# EAGLE board Mk4 Final Panel 6up 3x2 (EAGLE 9.0.1), part 15 of 18
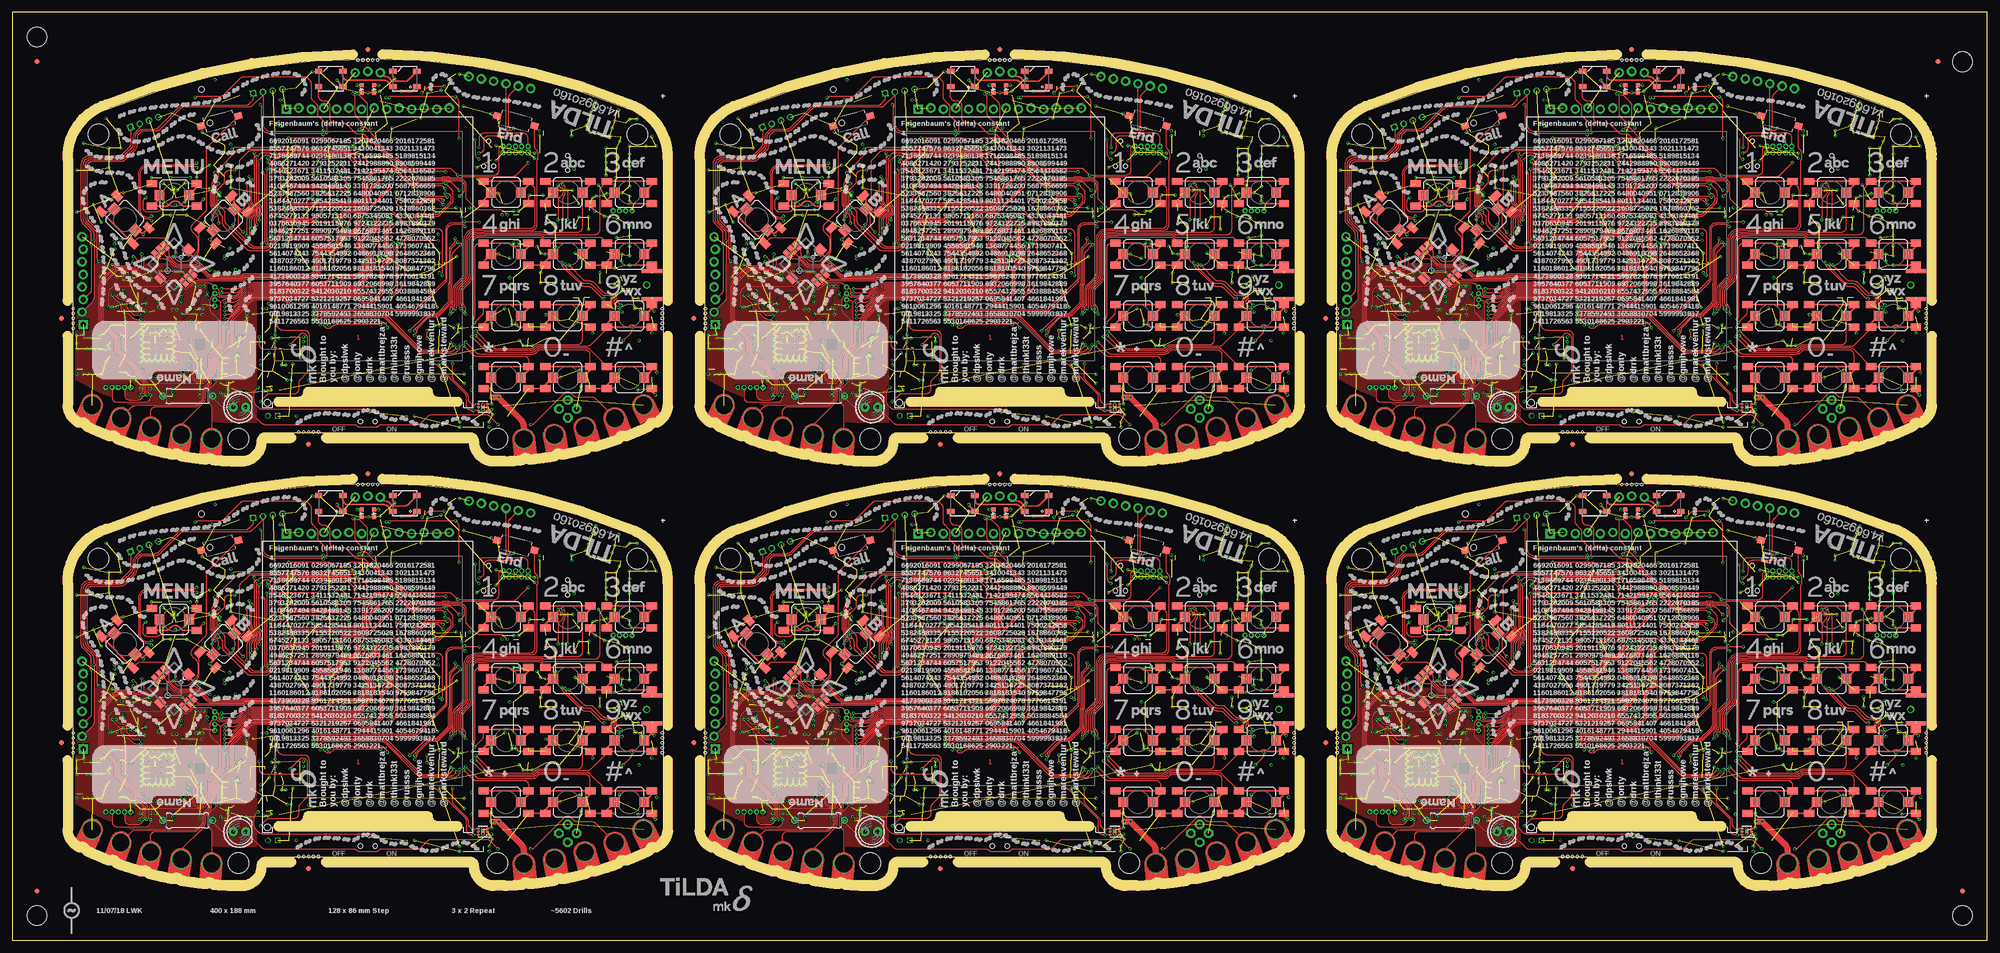
[diagram p0: board, top side]
## Tracks (layer width: path | path; a pad name or v marks a point on that pad's centre or on a via) (continued)
SSI0_LCD_MISO2  (via drill 0.3) (continued)
  Bottom 0.15: IC38.38 63.55,146.8 arc90 62.3,145.55 62.3,141.55 arc90 64.05,139.8 64.79,139.8 arc-45 65.49,139.51 65.51,139.49 arc-45 65.8,138.79 v65.8,137.8 | J21.33 68.25,138.52 arc-45 v68.45,139
SSI0_LCD_MISO3  (via drill 0.3)
  Top 0.15: v193.8,137.8 193.89,137.8 arc45 194.59,138.09 195.21,138.71 arc-45 195.91,139 v196.45,139
  Bottom 0.15: IC56.38 191.55,146.8 arc90 190.3,145.55 190.3,141.55 arc90 192.05,139.8 192.79,139.8 arc-45 193.49,139.51 193.51,139.49 arc-45 193.8,138.79 v193.8,137.8 | J31.33 196.25,138.52 arc-45 v196.45,139
SSI0_LCD_MISO4  (via drill 0.3)
  Top 0.15: v321.8,51.8 321.89,51.8 arc45 322.59,52.09 323.21,52.71 arc-45 323.91,53 v324.45,53
  Bottom 0.15: IC74.38 319.55,60.8 arc90 318.3,59.55 318.3,55.55 arc90 320.05,53.8 320.79,53.8 arc-45 321.49,53.51 321.51,53.49 arc-45 321.8,52.79 v321.8,51.8 | J41.33 324.25,52.52 arc-45 v324.45,53
SSI0_LCD_MISO6  (via drill 0.3)
  Top 0.15: v321.8,137.8 321.89,137.8 arc45 322.59,138.09 323.21,138.71 arc-45 323.91,139 v324.45,139
  Bottom 0.15: IC110.38 319.55,146.8 arc90 318.3,145.55 318.3,141.55 arc90 320.05,139.8 320.79,139.8 arc-45 321.49,139.51 321.51,139.49 arc-45 321.8,138.79 v321.8,137.8 | J61.33 324.25,138.52 arc-45 v324.45,139
SSI0_LCD_MOSI  (via drill 0.3)
  Top 0.15: v66.35,52.7 arc45 66.95,52.95 67.45,53.45 arc-45 v68.05,53.7
  Bottom 0.15: J2.34 67.75,50.5 67.8,50.55 67.8,53.1 arc-45 v68.05,53.7 | IC1.37 63.6,60.4 arc90 62.6,59.4 62.6,55.6 arc90 64.1,54.1 64.83,54.1 arc-45 65.72,53.73 66.2,53.25 arc-45 66.35,52.89 v66.35,52.7
SSI0_LCD_MOSI1  (via drill 0.3)
  Top 0.15: v194.35,52.7 arc45 194.95,52.95 195.45,53.45 arc-45 v196.05,53.7
  Bottom 0.15: J6.34 195.75,50.5 195.8,50.55 195.8,53.1 arc-45 v196.05,53.7 | IC20.37 191.6,60.4 arc90 190.6,59.4 190.6,55.6 arc90 192.1,54.1 192.83,54.1 arc-45 193.72,53.73 194.2,53.25 arc-45 194.35,52.89 v194.35,52.7
SSI0_LCD_MOSI2  (via drill 0.3)
  Top 0.15: v66.35,138.7 arc45 66.95,138.95 67.45,139.45 arc-45 v68.05,139.7
  Bottom 0.15: J21.34 67.75,136.5 67.8,136.55 67.8,139.1 arc-45 v68.05,139.7 | IC38.37 63.6,146.4 arc90 62.6,145.4 62.6,141.6 arc90 64.1,140.1 64.83,140.1 arc-45 65.72,139.73 66.2,139.25 arc-45 66.35,138.89 v66.35,138.7
SSI0_LCD_MOSI3  (via drill 0.3)
  Top 0.15: v194.35,138.7 arc45 194.95,138.95 195.45,139.45 arc-45 v196.05,139.7
  Bottom 0.15: J31.34 195.75,136.5 195.8,136.55 195.8,139.1 arc-45 v196.05,139.7 | IC56.37 191.6,146.4 arc90 190.6,145.4 190.6,141.6 arc90 192.1,140.1 192.83,140.1 arc-45 193.72,139.73 194.2,139.25 arc-45 194.35,138.89 v194.35,138.7
SSI0_LCD_MOSI4  (via drill 0.3)
  Top 0.15: v322.35,52.7 arc45 322.95,52.95 323.45,53.45 arc-45 v324.05,53.7
  Bottom 0.15: J41.34 323.75,50.5 323.8,50.55 323.8,53.1 arc-45 v324.05,53.7 | IC74.37 319.6,60.4 arc90 318.6,59.4 318.6,55.6 arc90 320.1,54.1 320.83,54.1 arc-45 321.72,53.73 322.2,53.25 arc-45 322.35,52.89 v322.35,52.7
SSI0_LCD_MOSI6  (via drill 0.3)
  Top 0.15: v322.35,138.7 arc45 322.95,138.95 323.45,139.45 arc-45 v324.05,139.7
  Bottom 0.15: J61.34 323.75,136.5 323.8,136.55 323.8,139.1 arc-45 v324.05,139.7 | IC110.37 319.6,146.4 arc90 318.6,145.4 318.6,141.6 arc90 320.1,140.1 320.83,140.1 arc-45 321.72,139.73 322.2,139.25 arc-45 322.35,138.89 v322.35,138.7
SSI2_CC_!CS  (via drill 0.3)
  Top 0.15: v43,40 43.7,40 47.86,44.16 arc-45 48.92,44.6 70.69,44.6 arc-45 71.39,44.31 v71.5,44.2 | v78,55.2 78,55.06 arc-45 77.89,54.8 arc45 77.6,54.1 77.6,47.01 arc-45 77.31,46.31 v76.6,45.6
  Bottom 0.15: IC15.8 29.75,27.95 arc90 30.75,26.95 38.5,26.95 arc90 40,28.45 40,30.39 arc-45 40.29,31.09 41.71,32.51 arc45 42.3,33.93 42.3,38.94 arc-45 42.59,39.64 42.95,40 v43,40 | IC1.3 77.4,56.21 arc45 77.69,55.51 v78,55.2 | v76.6,45.6 73.75,45.6 arc-45 73.25,45.81 arc45 72.54,46.1 72.5,46.1 arc90 71.5,45.1 v71.5,44.2
SSI2_CC_!CS1  (via drill 0.3)
  Top 0.15: v171,40 171.7,40 175.86,44.16 arc-45 176.92,44.6 198.69,44.6 arc-45 199.39,44.31 v199.5,44.2 | v206,55.2 206,55.06 arc-45 205.89,54.8 arc45 205.6,54.1 205.6,47.01 arc-45 205.31,46.31 v204.6,45.6
  Bottom 0.15: IC29.8 157.75,27.95 arc90 158.75,26.95 166.5,26.95 arc90 168,28.45 168,30.39 arc-45 168.29,31.09 169.71,32.51 arc45 170.3,33.93 170.3,38.94 arc-45 170.59,39.64 170.95,40 v171,40 | IC20.3 205.4,56.21 arc45 205.69,55.51 v206,55.2 | v204.6,45.6 201.75,45.6 arc-45 201.25,45.81 arc45 200.54,46.1 200.5,46.1 arc90 199.5,45.1 v199.5,44.2
SSI2_CC_!CS2  (via drill 0.3)
  Top 0.15: v43,126 43.7,126 47.86,130.16 arc-45 48.92,130.6 70.69,130.6 arc-45 71.39,130.31 v71.5,130.2 | v78,141.2 78,141.06 arc-45 77.89,140.8 arc45 77.6,140.1 77.6,133.01 arc-45 77.31,132.31 v76.6,131.6
  Bottom 0.15: IC47.8 29.75,113.95 arc90 30.75,112.95 38.5,112.95 arc90 40,114.45 40,116.39 arc-45 40.29,117.09 41.71,118.51 arc45 42.3,119.93 42.3,124.94 arc-45 42.59,125.64 42.95,126 v43,126 | IC38.3 77.4,142.21 arc45 77.69,141.51 v78,141.2 | v76.6,131.6 73.75,131.6 arc-45 73.25,131.81 arc45 72.54,132.1 72.5,132.1 arc90 71.5,131.1 v71.5,130.2
SSI2_CC_!CS3  (via drill 0.3)
  Top 0.15: v171,126 171.7,126 175.86,130.16 arc-45 176.92,130.6 198.69,130.6 arc-45 199.39,130.31 v199.5,130.2 | v206,141.2 206,141.06 arc-45 205.89,140.8 arc45 205.6,140.1 205.6,133.01 arc-45 205.31,132.31 v204.6,131.6
  Bottom 0.15: IC65.8 157.75,113.95 arc90 158.75,112.95 166.5,112.95 arc90 168,114.45 168,116.39 arc-45 168.29,117.09 169.71,118.51 arc45 170.3,119.93 170.3,124.94 arc-45 170.59,125.64 170.95,126 v171,126 | IC56.3 205.4,142.21 arc45 205.69,141.51 v206,141.2 | v204.6,131.6 201.75,131.6 arc-45 201.25,131.81 arc45 200.54,132.1 200.5,132.1 arc90 199.5,131.1 v199.5,130.2
SSI2_CC_!CS4  (via drill 0.3)
  Top 0.15: v299,40 299.7,40 303.86,44.16 arc-45 304.92,44.6 326.69,44.6 arc-45 327.39,44.31 v327.5,44.2 | v334,55.2 334,55.06 arc-45 333.89,54.8 arc45 333.6,54.1 333.6,47.01 arc-45 333.31,46.31 v332.6,45.6
  Bottom 0.15: IC83.8 285.75,27.95 arc90 286.75,26.95 294.5,26.95 arc90 296,28.45 296,30.39 arc-45 296.29,31.09 297.71,32.51 arc45 298.3,33.93 298.3,38.94 arc-45 298.59,39.64 298.95,40 v299,40 | IC74.3 333.4,56.21 arc45 333.69,55.51 v334,55.2 | v332.6,45.6 329.75,45.6 arc-45 329.25,45.81 arc45 328.54,46.1 328.5,46.1 arc90 327.5,45.1 v327.5,44.2
SSI2_CC_!CS6  (via drill 0.3)
  Top 0.15: v299,126 299.7,126 303.86,130.16 arc-45 304.92,130.6 326.69,130.6 arc-45 327.39,130.31 v327.5,130.2 | v334,141.2 334,141.06 arc-45 333.89,140.8 arc45 333.6,140.1 333.6,133.01 arc-45 333.31,132.31 v332.6,131.6
  Bottom 0.15: IC119.8 285.75,113.95 arc90 286.75,112.95 294.5,112.95 arc90 296,114.45 296,116.39 arc-45 296.29,117.09 297.71,118.51 arc45 298.3,119.93 298.3,124.94 arc-45 298.59,125.64 298.95,126 v299,126 | IC110.3 333.4,142.21 arc45 333.69,141.51 v334,141.2 | v332.6,131.6 329.75,131.6 arc-45 329.25,131.81 arc45 328.54,132.1 328.5,132.1 arc90 327.5,131.1 v327.5,130.2
SSI2_CC_CLK  (via drill 0.3)
  Top 0.15: v43,42.4 44.83,42.4 47.27,44.84 arc-45 48.86,45.5 69.07,45.5 arc45 70.49,46.09 70.51,46.11 arc-45 71.22,46.4 v73.4,46.4 | v77.2,55.2 77.2,53.49 77.22,53.47 77.22,47.44 arc-45 76.93,46.73 v76.6,46.4
  Bottom 0.15: IC15.5 31.25,29.91 arc45 31.54,29.21 32.51,28.24 arc45 33.21,27.95 36.88,27.95 36.9,27.93 38.35,27.93 arc90 39.1,28.68 39.1,30.48 arc-45 39.61,31.71 41.03,33.13 arc45 41.4,34.02 41.4,40.39 arc-45 41.69,41.09 v43,42.4 | IC1.4 77,55.68 arc45 v77.2,55.2 | v73.4,46.4 v76.6,46.4
SSI2_CC_CLK1  (via drill 0.3)
  Top 0.15: v171,42.4 172.83,42.4 175.27,44.84 arc-45 176.86,45.5 197.07,45.5 arc45 198.49,46.09 198.51,46.11 arc-45 199.22,46.4 v201.4,46.4 | v205.2,55.2 205.2,53.49 205.22,53.47 205.22,47.44 arc-45 204.93,46.73 v204.6,46.4
  Bottom 0.15: IC29.5 159.25,29.91 arc45 159.54,29.21 160.51,28.24 arc45 161.21,27.95 164.88,27.95 164.9,27.93 166.35,27.93 arc90 167.1,28.68 167.1,30.48 arc-45 167.61,31.71 169.03,33.13 arc45 169.4,34.02 169.4,40.39 arc-45 169.69,41.09 v171,42.4 | IC20.4 205,55.68 arc45 v205.2,55.2 | v201.4,46.4 v204.6,46.4
SSI2_CC_CLK2  (via drill 0.3)
  Top 0.15: v43,128.4 44.83,128.4 47.27,130.84 arc-45 48.86,131.5 69.07,131.5 arc45 70.49,132.09 70.51,132.11 arc-45 71.22,132.4 v73.4,132.4 | v77.2,141.2 77.2,139.49 77.22,139.47 77.22,133.44 arc-45 76.93,132.73 v76.6,132.4
  Bottom 0.15: IC47.5 31.25,115.91 arc45 31.54,115.21 32.51,114.24 arc45 33.21,113.95 36.88,113.95 36.9,113.92 38.35,113.92 arc90 39.1,114.67 39.1,116.47 arc-45 39.61,117.71 41.03,119.13 arc45 41.4,120.02 41.4,126.39 arc-45 41.69,127.09 v43,128.4 | IC38.4 77,141.68 arc45 v77.2,141.2 | v73.4,132.4 v76.6,132.4
SSI2_CC_CLK3  (via drill 0.3)
  Top 0.15: v171,128.4 172.83,128.4 175.27,130.84 arc-45 176.86,131.5 197.07,131.5 arc45 198.49,132.09 198.51,132.11 arc-45 199.22,132.4 v201.4,132.4 | v205.2,141.2 205.2,139.49 205.22,139.47 205.22,133.44 arc-45 204.93,132.73 v204.6,132.4
  Bottom 0.15: IC65.5 159.25,115.91 arc45 159.54,115.21 160.51,114.24 arc45 161.21,113.95 164.88,113.95 164.9,113.92 166.35,113.92 arc90 167.1,114.67 167.1,116.47 arc-45 167.61,117.71 169.03,119.13 arc45 169.4,120.02 169.4,126.39 arc-45 169.69,127.09 v171,128.4 | IC56.4 205,141.68 arc45 v205.2,141.2 | v201.4,132.4 v204.6,132.4
SSI2_CC_CLK4  (via drill 0.3)
  Top 0.15: v299,42.4 300.83,42.4 303.27,44.84 arc-45 304.86,45.5 325.07,45.5 arc45 326.49,46.09 326.51,46.11 arc-45 327.22,46.4 v329.4,46.4 | v333.2,55.2 333.2,53.49 333.23,53.47 333.23,47.44 arc-45 332.93,46.73 v332.6,46.4
  Bottom 0.15: IC83.5 287.25,29.91 arc45 287.54,29.21 288.51,28.24 arc45 289.21,27.95 292.88,27.95 292.9,27.93 294.35,27.93 arc90 295.1,28.68 295.1,30.48 arc-45 295.61,31.71 297.03,33.13 arc45 297.4,34.02 297.4,40.39 arc-45 297.69,41.09 v299,42.4 | IC74.4 333,55.68 arc45 v333.2,55.2 | v329.4,46.4 v332.6,46.4
SSI2_CC_CLK6  (via drill 0.3)
  Top 0.15: v299,128.4 300.83,128.4 303.27,130.84 arc-45 304.86,131.5 325.07,131.5 arc45 326.49,132.09 326.51,132.11 arc-45 327.22,132.4 v329.4,132.4 | v333.2,141.2 333.2,139.49 333.23,139.47 333.23,133.44 arc-45 332.93,132.73 v332.6,132.4
  Bottom 0.15: IC119.5 287.25,115.91 arc45 287.54,115.21 288.51,114.24 arc45 289.21,113.95 292.88,113.95 292.9,113.92 294.35,113.92 arc90 295.1,114.67 295.1,116.47 arc-45 295.61,117.71 297.03,119.13 arc45 297.4,120.02 297.4,126.39 arc-45 297.69,127.09 v299,128.4 | IC110.4 333,141.68 arc45 v333.2,141.2 | v329.4,132.4 v332.6,132.4
SSI2_CC_MISO  (via drill 0.3)
  Top 0.15: v43,40.8 44.08,40.8 47.67,44.39 arc-45 48.9,44.9 72.24,44.9 arc-45 v72.6,44.75 | v78.75,55.24 78.53,55.01 arc-45 78.5,54.96 78.19,54.65 arc45 77.9,53.94 77.9,46.21 arc-45 77.61,45.51 76.9,44.8 v76.6,44.8
  Bottom 0.15: IC15.7 30.25,29 R71.1 30.59,28.75 arc-45 31.29,28.46 32.06,27.69 arc45 33.12,27.25 38.45,27.25 arc90 39.7,28.5 39.7,30.43 arc-45 40.07,31.32 41.49,32.74 arc45 42,33.98 42,39.39 arc-45 42.29,40.09 v43,40.8 | IC1.1 78.2,56.6 78.31,56.49 arc-45 78.6,55.79 78.6,55.6 arc45 v78.75,55.24 | v76.6,44.8 76.55,44.75 v72.6,44.75
SSI2_CC_MISO1  (via drill 0.3)
  Top 0.15: v171,40.8 172.08,40.8 175.67,44.39 arc-45 176.9,44.9 200.24,44.9 arc-45 v200.6,44.75 | v206.75,55.24 206.53,55.01 arc-45 206.5,54.96 206.19,54.65 arc45 205.9,53.94 205.9,46.21 arc-45 205.61,45.51 204.9,44.8 v204.6,44.8
  Bottom 0.15: IC29.7 158.25,29 R149.1 158.59,28.75 arc-45 159.29,28.46 160.06,27.69 arc45 161.12,27.25 166.45,27.25 arc90 167.7,28.5 167.7,30.43 arc-45 168.07,31.32 169.49,32.74 arc45 170,33.98 170,39.39 arc-45 170.29,40.09 v171,40.8 | IC20.1 206.2,56.6 206.31,56.49 arc-45 206.6,55.79 206.6,55.6 arc45 v206.75,55.24 | v204.6,44.8 204.55,44.75 v200.6,44.75
SSI2_CC_MISO2  (via drill 0.3)
  Top 0.15: v43,126.8 44.08,126.8 47.67,130.39 arc-45 48.9,130.9 72.24,130.9 arc-45 v72.6,130.75 | v78.75,141.24 78.53,141.01 arc-45 78.5,140.96 78.19,140.65 arc45 77.9,139.94 77.9,132.21 arc-45 77.61,131.51 76.9,130.8 v76.6,130.8
  Bottom 0.15: IC47.7 30.25,115 R227.1 30.59,114.75 arc-45 31.29,114.46 32.06,113.69 arc45 33.12,113.25 38.45,113.25 arc90 39.7,114.5 39.7,116.43 arc-45 40.07,117.32 41.49,118.74 arc45 42,119.97 42,125.39 arc-45 42.29,126.09 v43,126.8 | IC38.1 78.2,142.6 78.31,142.49 arc-45 78.6,141.79 78.6,141.6 arc45 v78.75,141.24 | v76.6,130.8 76.55,130.75 v72.6,130.75
SSI2_CC_MISO3  (via drill 0.3)
  Top 0.15: v171,126.8 172.08,126.8 175.67,130.39 arc-45 176.9,130.9 200.24,130.9 arc-45 v200.6,130.75 | v206.75,141.24 206.53,141.01 arc-45 206.5,140.96 206.19,140.65 arc45 205.9,139.94 205.9,132.21 arc-45 205.61,131.51 204.9,130.8 v204.6,130.8
  Bottom 0.15: IC65.7 158.25,115 R305.1 158.59,114.75 arc-45 159.29,114.46 160.06,113.69 arc45 161.12,113.25 166.45,113.25 arc90 167.7,114.5 167.7,116.43 arc-45 168.07,117.32 169.49,118.74 arc45 170,119.97 170,125.39 arc-45 170.29,126.09 v171,126.8 | IC56.1 206.2,142.6 206.31,142.49 arc-45 206.6,141.79 206.6,141.6 arc45 v206.75,141.24 | v204.6,130.8 204.55,130.75 v200.6,130.75
SSI2_CC_MISO4  (via drill 0.3)
  Top 0.15: v299,40.8 300.08,40.8 303.67,44.39 arc-45 304.9,44.9 328.24,44.9 arc-45 v328.6,44.75 | v334.75,55.24 334.52,55.01 arc-45 334.5,54.96 334.19,54.65 arc45 333.9,53.94 333.9,46.21 arc-45 333.61,45.51 332.9,44.8 v332.6,44.8
  Bottom 0.15: IC83.7 286.25,29 R383.1 286.59,28.75 arc-45 287.29,28.46 288.06,27.69 arc45 289.12,27.25 294.45,27.25 arc90 295.7,28.5 295.7,30.43 arc-45 296.07,31.32 297.49,32.74 arc45 298,33.98 298,39.39 arc-45 298.29,40.09 v299,40.8 | IC74.1 334.2,56.6 334.31,56.49 arc-45 334.6,55.79 334.6,55.6 arc45 v334.75,55.24 | v332.6,44.8 332.55,44.75 v328.6,44.75
SSI2_CC_MISO6  (via drill 0.3)
  Top 0.15: v299,126.8 300.08,126.8 303.67,130.39 arc-45 304.9,130.9 328.24,130.9 arc-45 v328.6,130.75 | v334.75,141.24 334.52,141.01 arc-45 334.5,140.96 334.19,140.65 arc45 333.9,139.94 333.9,132.21 arc-45 333.61,131.51 332.9,130.8 v332.6,130.8
  Bottom 0.15: IC119.7 286.25,115 R539.1 286.59,114.75 arc-45 287.29,114.46 288.06,113.69 arc45 289.12,113.25 294.45,113.25 arc90 295.7,114.5 295.7,116.43 arc-45 296.07,117.32 297.49,118.74 arc45 298,119.97 298,125.39 arc-45 298.29,126.09 v299,126.8 | IC110.1 334.2,142.6 334.31,142.49 arc-45 334.6,141.79 334.6,141.6 arc45 v334.75,141.24 | v332.6,130.8 332.55,130.75 v328.6,130.75
SSI2_CC_MOSI  (via drill 0.3)
  Top 0.15: v43,41.6 44.45,41.6 47.47,44.61 arc-45 48.88,45.2 71.89,45.2 arc45 v72.59,45.49 v72.6,45.5 | v78,56 78.5,56 arc-90 79.5,55 79.5,47.31 arc-45 79.21,46.61 v76.6,44
  Bottom 0.15: IC15.6 30.75,29.91 arc45 31.04,29.21 32.23,28.02 arc45 33.12,27.65 36.75,27.65 36.78,27.62 38.4,27.62 arc90 39.4,28.62 39.4,30.45 arc-45 39.84,31.51 41.26,32.94 arc45 41.7,34 41.7,39.89 arc-45 41.99,40.59 v43,41.6 | IC1.2 77.8,56.48 arc45 v78,56 | v72.6,45.5 arc90 72,44.9 arc90 72.9,44 v76.6,44
SSI2_CC_MOSI1  (via drill 0.3)
  Top 0.15: v171,41.6 172.45,41.6 175.47,44.61 arc-45 176.88,45.2 199.89,45.2 arc45 v200.59,45.49 v200.6,45.5 | v206,56 206.5,56 arc-90 207.5,55 207.5,47.31 arc-45 207.21,46.61 v204.6,44
  Bottom 0.15: IC29.6 158.75,29.91 arc45 159.04,29.21 160.23,28.02 arc45 161.12,27.65 164.75,27.65 164.78,27.62 166.4,27.62 arc90 167.4,28.62 167.4,30.45 arc-45 167.84,31.51 169.26,32.94 arc45 169.7,34 169.7,39.89 arc-45 169.99,40.59 v171,41.6 | IC20.2 205.8,56.48 arc45 v206,56 | v200.6,45.5 arc90 200,44.9 arc90 200.9,44 v204.6,44
SSI2_CC_MOSI2  (via drill 0.3)
  Top 0.15: v43,127.6 44.45,127.6 47.47,130.61 arc-45 48.88,131.2 71.89,131.2 arc45 v72.59,131.49 v72.6,131.5 | v78,142 78.5,142 arc-90 79.5,141 79.5,133.31 arc-45 79.21,132.61 v76.6,130
  Bottom 0.15: IC47.6 30.75,115.91 arc45 31.04,115.21 32.23,114.02 arc45 33.12,113.65 36.75,113.65 36.78,113.62 38.4,113.62 arc90 39.4,114.62 39.4,116.45 arc-45 39.84,117.51 41.26,118.94 arc45 41.7,120 41.7,125.89 arc-45 41.99,126.59 v43,127.6 | IC38.2 77.8,142.48 arc45 v78,142 | v72.6,131.5 arc90 72,130.9 arc90 72.9,130 v76.6,130
SSI2_CC_MOSI3  (via drill 0.3)
  Top 0.15: v171,127.6 172.45,127.6 175.47,130.61 arc-45 176.88,131.2 199.89,131.2 arc45 v200.59,131.49 v200.6,131.5 | v206,142 206.5,142 arc-90 207.5,141 207.5,133.31 arc-45 207.21,132.61 v204.6,130
  Bottom 0.15: IC65.6 158.75,115.91 arc45 159.04,115.21 160.23,114.02 arc45 161.12,113.65 164.75,113.65 164.78,113.62 166.4,113.62 arc90 167.4,114.62 167.4,116.45 arc-45 167.84,117.51 169.26,118.94 arc45 169.7,120 169.7,125.89 arc-45 169.99,126.59 v171,127.6 | IC56.2 205.8,142.48 arc45 v206,142 | v200.6,131.5 arc90 200,130.9 arc90 200.9,130 v204.6,130
SSI2_CC_MOSI4  (via drill 0.3)
  Top 0.15: v299,41.6 300.45,41.6 303.47,44.61 arc-45 304.88,45.2 327.89,45.2 arc45 v328.59,45.49 v328.6,45.5 | v334,56 334.5,56 arc-90 335.5,55 335.5,47.31 arc-45 335.21,46.61 v332.6,44
  Bottom 0.15: IC83.6 286.75,29.91 arc45 287.04,29.21 288.23,28.02 arc45 289.12,27.65 292.75,27.65 292.78,27.62 294.4,27.62 arc90 295.4,28.62 295.4,30.45 arc-45 295.84,31.51 297.26,32.94 arc45 297.7,34 297.7,39.89 arc-45 297.99,40.59 v299,41.6 | IC74.2 333.8,56.48 arc45 v334,56 | v328.6,45.5 arc90 328,44.9 arc90 328.9,44 v332.6,44
SSI2_CC_MOSI6  (via drill 0.3)
  Top 0.15: v299,127.6 300.45,127.6 303.47,130.61 arc-45 304.88,131.2 327.89,131.2 arc45 v328.59,131.49 v328.6,131.5 | v334,142 334.5,142 arc-90 335.5,141 335.5,133.31 arc-45 335.21,132.61 v332.6,130
  Bottom 0.15: IC119.6 286.75,115.91 arc45 287.04,115.21 288.23,114.02 arc45 289.12,113.65 292.75,113.65 292.78,113.62 294.4,113.62 arc90 295.4,114.62 295.4,116.45 arc-45 295.84,117.51 297.26,118.94 arc45 297.7,120 297.7,125.89 arc-45 297.99,126.59 v299,127.6 | IC110.2 333.8,142.48 arc45 v334,142 | v328.6,131.5 arc90 328,130.9 arc90 328.9,130 v332.6,130
SSI3_CLK
  Bottom 0.15: IC6.6 81.33,54.5 77.35,54.5 arc-90 76.6,55.25 IC1.5
SSI3_CLK1
  Bottom 0.15: IC22.6 209.33,54.5 205.35,54.5 arc-90 204.6,55.25 IC20.5
SSI3_CLK2
  Bottom 0.15: IC40.6 81.33,140.5 77.35,140.5 arc-90 76.6,141.25 IC38.5
SSI3_CLK3
  Bottom 0.15: IC58.6 209.33,140.5 205.35,140.5 arc-90 204.6,141.25 IC56.5
SSI3_CLK4
  Bottom 0.15: IC76.6 337.33,54.5 333.35,54.5 arc-90 332.6,55.25 IC74.5
SSI3_CLK6
  Bottom 0.15: IC112.6 337.33,140.5 333.35,140.5 arc-90 332.6,141.25 IC110.5
SSI3_DAT0  (via drill 0.3)
  Top 0.15: v74.7,59.2 74.6,59.1 arc45 74.45,58.74 74.45,58.56 arc-45 74.3,58.2 arc45 74.2,57.95 74.2,54.41 arc45 74.49,53.71 74.51,53.69 arc-45 74.8,52.99 74.8,52.44 arc-45 v74.7,52.2
  Bottom 0.15: IC1.11 74.2,57.95 arc-45 74.3,58.2 arc45 74.45,58.56 74.45,58.74 arc-45 74.6,59.1 v74.7,59.2 | IC6.5 77.57,53.24 arc45 76.86,52.95 76.4,52.49 arc-45 75.7,52.2 v74.7,52.2
SSI3_DAT1  (via drill 0.3)
  Top 0.15: v86.3,55.8 80.67,55.8 arc-45 79.97,56.09 79.09,56.97 arc-45 78.8,57.67 78.8,59.09 arc45 78.51,59.79 77.39,60.91 arc45 76.69,61.2 70.01,61.2 arc45 69.31,60.91 68.09,59.69 arc45 67.8,58.99 v67.8,58.6
  Bottom 0.15: IC1.27 v67.8,58.6 | IC6.2 86.31,55.78 v86.3,55.8
SSI3_DAT2  (via drill 0.3)
  Top 0.15: v214.3,55.8 208.67,55.8 arc-45 207.97,56.09 207.09,56.97 arc-45 206.8,57.67 206.8,59.09 arc45 206.51,59.79 205.39,60.91 arc45 204.69,61.2 198.01,61.2 arc45 197.31,60.91 196.09,59.69 arc45 195.8,58.99 v195.8,58.6
  Bottom 0.15: IC20.27 v195.8,58.6 | IC22.2 214.31,55.78 v214.3,55.8
SSI3_DAT3  (via drill 0.3)
  Top 0.15: v202.7,59.2 202.6,59.1 arc45 202.45,58.74 202.45,58.56 arc-45 202.3,58.2 arc45 202.2,57.95 202.2,54.41 arc45 202.49,53.71 202.51,53.69 arc-45 202.8,52.99 202.8,52.44 arc-45 v202.7,52.2
  Bottom 0.15: IC20.11 202.2,57.95 arc-45 202.3,58.2 arc45 202.45,58.56 202.45,58.74 arc-45 202.6,59.1 v202.7,59.2 | IC22.5 205.57,53.24 arc45 204.86,52.95 204.4,52.49 arc-45 203.7,52.2 v202.7,52.2
SSI3_DAT4  (via drill 0.3)
  Top 0.15: v86.3,141.8 80.67,141.8 arc-45 79.97,142.09 79.09,142.97 arc-45 78.8,143.67 78.8,145.09 arc45 78.51,145.79 77.39,146.91 arc45 76.69,147.2 70.01,147.2 arc45 69.31,146.91 68.09,145.69 arc45 67.8,144.99 v67.8,144.6
  Bottom 0.15: IC38.27 v67.8,144.6 | IC40.2 86.31,141.78 v86.3,141.8
SSI3_DAT5  (via drill 0.3)
  Top 0.15: v74.7,145.2 74.6,145.1 arc45 74.45,144.74 74.45,144.56 arc-45 74.3,144.2 arc45 74.2,143.95 74.2,140.41 arc45 74.49,139.71 74.51,139.69 arc-45 74.8,138.99 74.8,138.44 arc-45 v74.7,138.2
  Bottom 0.15: IC38.11 74.2,143.95 arc-45 74.3,144.2 arc45 74.45,144.56 74.45,144.74 arc-45 74.6,145.1 v74.7,145.2 | IC40.5 77.57,139.25 arc45 76.86,138.95 76.4,138.49 arc-45 75.7,138.2 v74.7,138.2
SSI3_DAT6  (via drill 0.3)
  Top 0.15: v214.3,141.8 208.67,141.8 arc-45 207.97,142.09 207.09,142.97 arc-45 206.8,143.67 206.8,145.09 arc45 206.51,145.79 205.39,146.91 arc45 204.69,147.2 198.01,147.2 arc45 197.31,146.91 196.09,145.69 arc45 195.8,144.99 v195.8,144.6
  Bottom 0.15: IC56.27 v195.8,144.6 | IC58.2 214.31,141.78 v214.3,141.8
SSI3_DAT7  (via drill 0.3)
  Top 0.15: v202.7,145.2 202.6,145.1 arc45 202.45,144.74 202.45,144.56 arc-45 202.3,144.2 arc45 202.2,143.95 202.2,140.41 arc45 202.49,139.71 202.51,139.69 arc-45 202.8,138.99 202.8,138.44 arc-45 v202.7,138.2
  Bottom 0.15: IC56.11 202.2,143.95 arc-45 202.3,144.2 arc45 202.45,144.56 202.45,144.74 arc-45 202.6,145.1 v202.7,145.2 | IC58.5 205.57,139.25 arc45 204.86,138.95 204.4,138.49 arc-45 203.7,138.2 v202.7,138.2
SSI3_DAT8  (via drill 0.3)
  Top 0.15: v342.3,55.8 336.67,55.8 arc-45 335.96,56.09 335.09,56.97 arc-45 334.8,57.67 334.8,59.09 arc45 334.51,59.79 333.39,60.91 arc45 332.69,61.2 326.01,61.2 arc45 325.31,60.91 324.09,59.69 arc45 323.8,58.99 v323.8,58.6
  Bottom 0.15: IC74.27 v323.8,58.6 | IC76.2 342.31,55.78 v342.3,55.8
SSI3_DAT9  (via drill 0.3)
  Top 0.15: v330.7,59.2 330.6,59.1 arc45 330.45,58.74 330.45,58.56 arc-45 330.3,58.2 arc45 330.2,57.95 330.2,54.41 arc45 330.49,53.71 330.51,53.69 arc-45 330.8,52.99 330.8,52.44 arc-45 v330.7,52.2
  Bottom 0.15: IC74.11 330.2,57.95 arc-45 330.3,58.2 arc45 330.45,58.56 330.45,58.74 arc-45 330.6,59.1 v330.7,59.2 | IC76.5 333.57,53.24 arc45 332.86,52.95 332.4,52.49 arc-45 331.7,52.2 v330.7,52.2
SSI3_DAT12  (via drill 0.3)
  Top 0.15: v342.3,141.8 336.67,141.8 arc-45 335.96,142.09 335.09,142.97 arc-45 334.8,143.67 334.8,145.09 arc45 334.51,145.79 333.39,146.91 arc45 332.69,147.2 326.01,147.2 arc45 325.31,146.91 324.09,145.69 arc45 323.8,144.99 v323.8,144.6
  Bottom 0.15: IC110.27 v323.8,144.6 | IC112.2 342.31,141.78 v342.3,141.8
SSI3_DAT13  (via drill 0.3)
  Top 0.15: v330.7,145.2 330.6,145.1 arc45 330.45,144.74 330.45,144.56 arc-45 330.3,144.2 arc45 330.2,143.95 330.2,140.41 arc45 330.49,139.71 330.51,139.69 arc-45 330.8,138.99 330.8,138.44 arc-45 v330.7,138.2
  Bottom 0.15: IC110.11 330.2,143.95 arc-45 330.3,144.2 arc45 330.45,144.56 330.45,144.74 arc-45 330.6,145.1 v330.7,145.2 | IC112.5 333.57,139.25 arc45 332.86,138.95 332.4,138.49 arc-45 331.7,138.2 v330.7,138.2
SSI3_FSS  (via drill 0.3)
  3V3@2 0.15: v83.6,54.2 83.6,54.6 83.6,54.7 85.95,57.05 v86.25,57.05
  Bottom 0.15: IC1.6 76.2,54.9 arc90 77.2,53.9 82.49,53.9 arc45 82.85,54.05 82.85,54.05 arc-45 83.21,54.2 v83.6,54.2 | v86.25,57.05 IC6.1
SSI3_FSS1  (via drill 0.3)
  3V3@2 0.15: v211.6,54.2 211.6,54.7 213.96,57.05 v214.25,57.05
  Bottom 0.15: IC20.6 204.2,54.9 arc90 205.2,53.9 210.49,53.9 arc45 210.85,54.05 210.85,54.05 arc-45 211.21,54.2 v211.6,54.2 | v214.25,57.05 IC22.1
SSI3_FSS2  (via drill 0.3)
  3V3@2 0.15: v83.6,140.2 83.6,140.7 85.95,143.06 v86.25,143.06
  Bottom 0.15: IC38.6 76.2,140.9 arc90 77.2,139.9 82.49,139.9 arc45 82.85,140.05 82.85,140.05 arc-45 83.21,140.2 v83.6,140.2 | v86.25,143.06 IC40.1
SSI3_FSS3  (via drill 0.3)
  3V3@2 0.15: v211.6,140.2 211.6,140.7 213.96,143.06 v214.25,143.06
  Bottom 0.15: IC56.6 204.2,140.9 arc90 205.2,139.9 210.49,139.9 arc45 210.85,140.05 210.85,140.05 arc-45 211.21,140.2 v211.6,140.2 | v214.25,143.06 IC58.1
SSI3_FSS4  (via drill 0.3)
  3V3@2 0.15: v339.6,54.2 339.6,54.7 341.95,57.05 v342.25,57.05
  Bottom 0.15: IC74.6 332.2,54.9 arc90 333.2,53.9 338.49,53.9 arc45 338.85,54.05 338.85,54.05 arc-45 339.21,54.2 v339.6,54.2 | v342.25,57.05 IC76.1
SSI3_FSS6  (via drill 0.3)
  3V3@2 0.15: v339.6,140.2 339.6,140.7 341.95,143.06 v342.25,143.06
  Bottom 0.15: IC110.6 332.2,140.9 arc90 333.2,139.9 338.49,139.9 arc45 338.85,140.05 338.85,140.05 arc-45 339.21,140.2 v339.6,140.2 | v342.25,143.06 IC112.1
SW
  Bottom 0.25: IC9.6 45.1,26.35
  Bottom 0.5: 45.1,26.35 L4.1
SW1
  Bottom 0.25: IC33.6 173.1,26.35
  Bottom 0.5: 173.1,26.35 L11.1
SW2
  Bottom 0.25: IC51.6 45.1,112.35
  Bottom 0.5: 45.1,112.35 L20.1
SW3
  Bottom 0.25: IC69.6 173.1,112.35
  Bottom 0.5: 173.1,112.35 L29.1
SW4
  Bottom 0.25: IC87.6 301.1,26.35
  Bottom 0.5: 301.1,26.35 L38.1
SW6
  Bottom 0.25: IC123.6 301.1,112.35
  Bottom 0.5: 301.1,112.35 L56.1